# KiCad board vme-wren.kicad_pcb (continued)
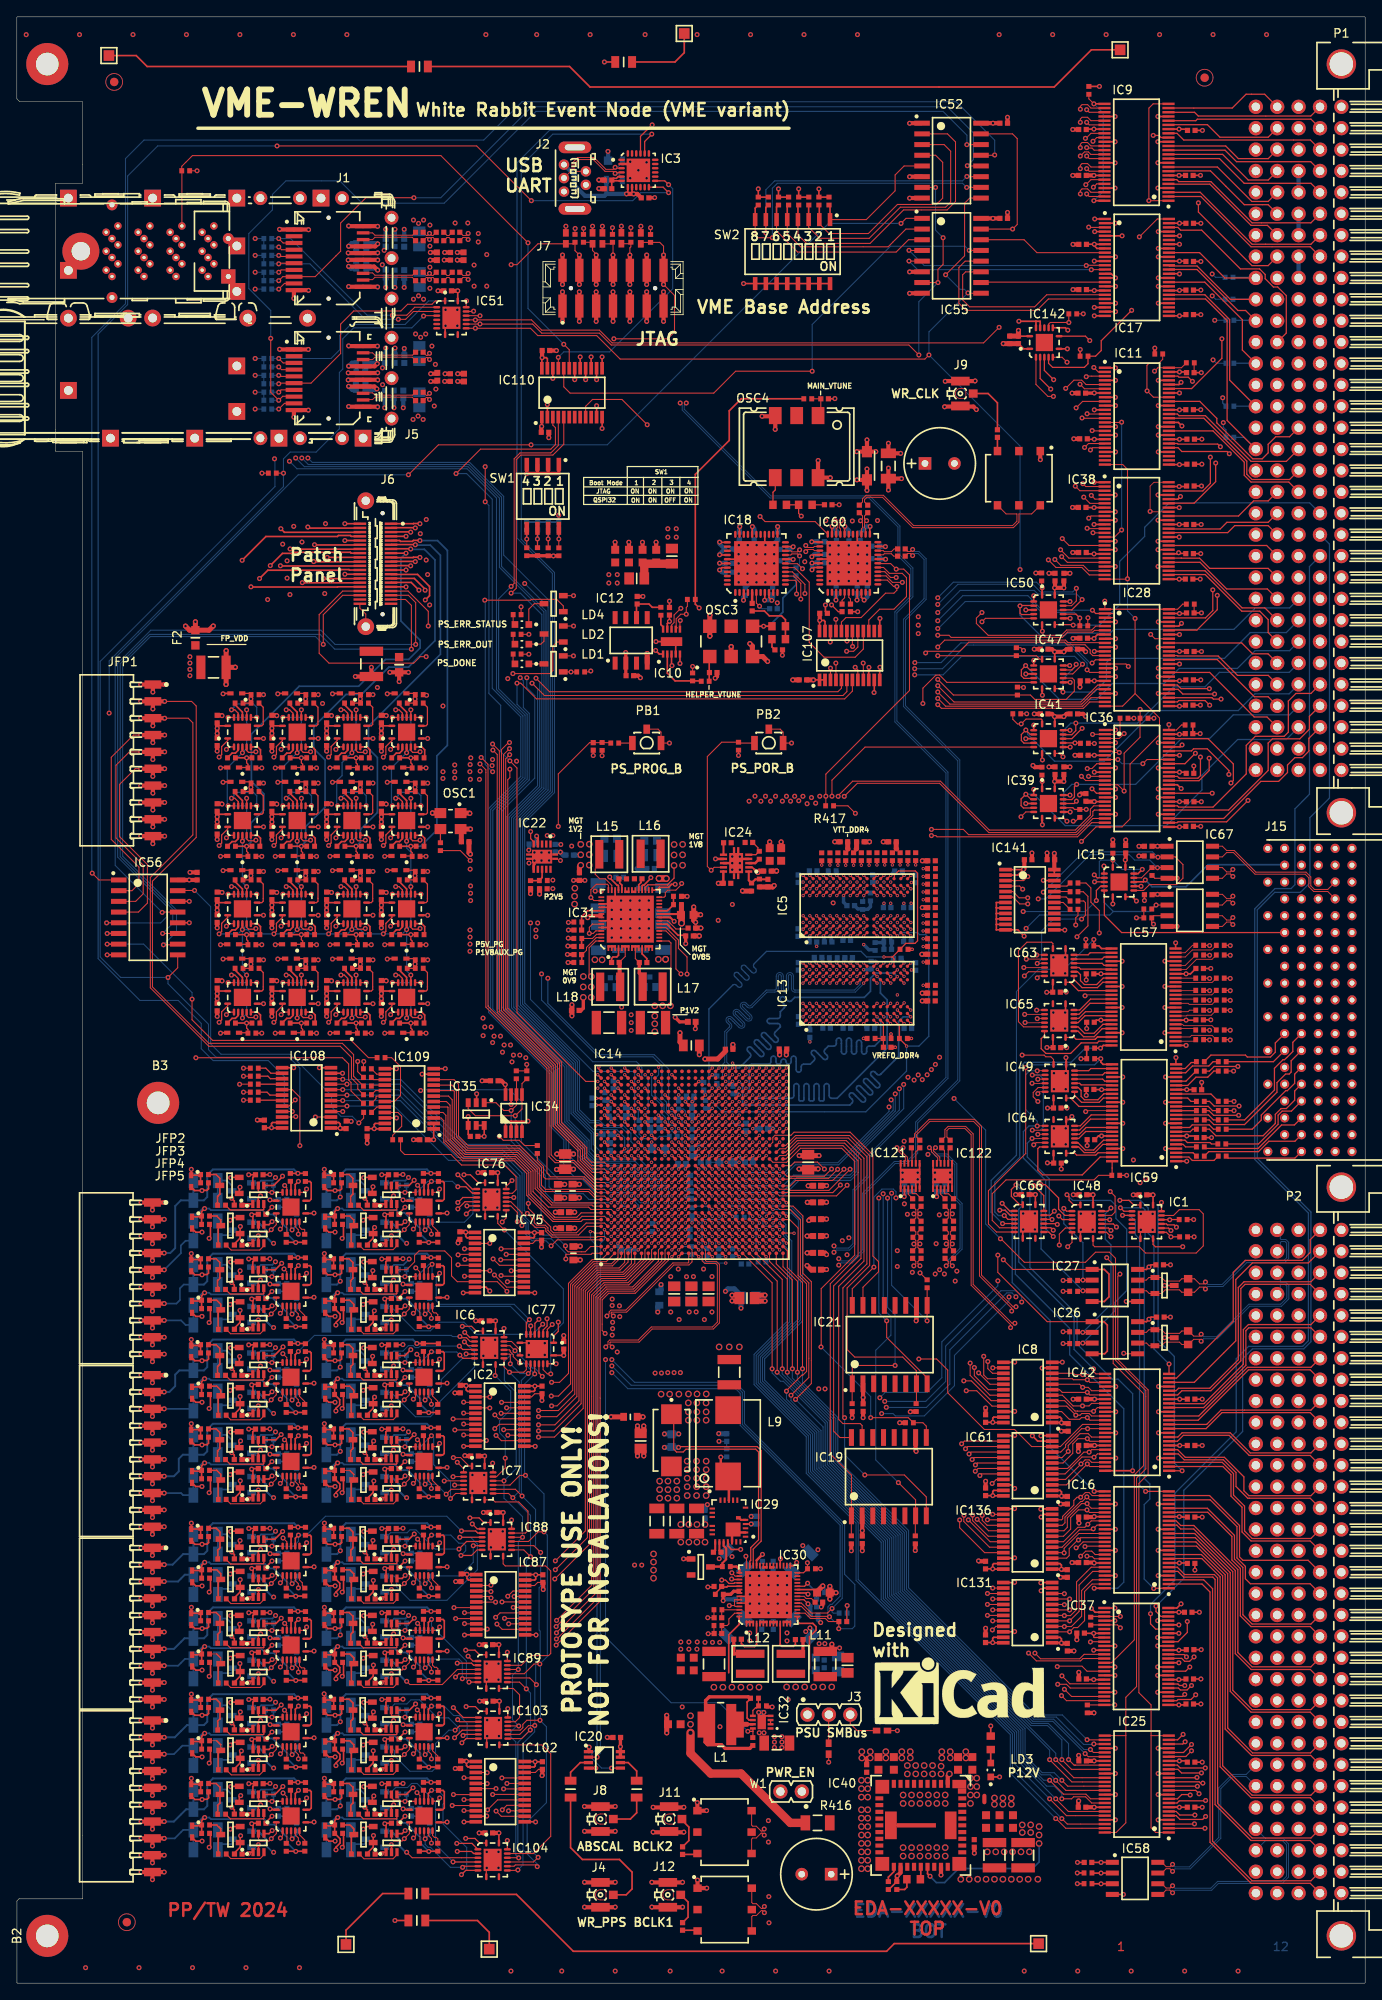
[diagram p0: board, top side]
## Routing (per net, layer and track width the routed paths; a pad name or vN(x,y) marks a point on that pad's centre or on a via; arc(x,y) is an arc through that point)
5VREG: length 57.4
  Top Layer w0.18: v2(95.43,49.2) R212.1
  Top Layer w0.2: IC30.29 92.23,49.57 v2(92.61,49.95) ; R213.1 66.1,125.94 v2(65.5,125.94) ; IC29.4 86.54,54.51 87.21,54.51 v2(87.21,54.52) ; v2(78.18,130.47) 77.76,130.47 77.39,130.1 76.33,130.1 76,129.78 IC31.29 ; IC32.6 86.96,31.24 86.72,31.48 86.72,33.37 87.1,33.75
  Top Layer w0.203: 69.41,126.74 IC31.49 ; 69.41,126.74 69.41,126.73 ; 69.41,126.74 IC31.48
  Top Layer w0.3: 61.88,135.24 61.87,135.24 61.87,135.98 61.73,136.12 v3(61.73,136.2)
  Top Layer w0.4: L1.2 81.8,31.25 81.8,33.12 ; L1.2 82.34,32.58 81.8,33.12 ; L1.2 81.73,30.1 81.73,28.63 82.05,28.31 83.68,28.31 84.12,27.87 87.06,27.87 R120.1 ; 81.8,33.12 81.8,33.55 82.24,33.99 86.86,33.99 87.1,33.75 ; 85.81,46.53 85.14,46.53 84.77,46.16 R205.1 ; v2(67.8,126.5) 68.03,126.73 69.41,126.73 ; 83.87,45.43 83.87,46.16
  Top Layer w1: R416.1 91.86,19.03 86,24.89 82.4,24.89 80,27.29 v4(80,29.72)
  Bottom Layer w0.5: C287.1 84.05,45.58 v2(83.89,45.41) ; C220.2 v3(61.73,136.2)
  Bottom Layer w0.6: v2(87.21,54.52) 87.22,54.53 C275.1
  vias: v2(79.02,32.8) v4(66.27,130.01) v4(66.24,129.06) v4(66.24,128.12) v4(75.61,50.96) v4(75.61,50) v4(75.61,49.04) v4(75.61,48.09) v4(80,31.75) v4(80,30.73)
/power-supply-1/P1V8AUX_PG: length 166
  Top Layer w0.1: v2(68.17,128.9) 68.17,128.78
  Top Layer w0.125: IC31.28 76.87,128.94 77.01,129.08 77.01,129.5 77.29,129.78 78.26,129.78 78.95,130.47 v2(78.95,130.56) ; v2(97.61,42.09) 97.62,42.09 R227.2 96.38,42.94 96.02,43.3 94.25,43.3 93.62,43.93 IC30.16 ; IC31.44 68.53,128.54 v2(68.17,128.9) 68.17,129.83 68.81,130.47 70.13,130.47 70.25,130.35 IC31.42 ; IC31.53 68.75,124.94 68.45,124.64 v2(67.99,124.64) 67.99,124.94 ; 67.99,124.94 67.99,124.94 ; 67.99,124.94 67.99,125.36 68.37,125.74 IC31.51
  L3 w0.125: v2(68.17,128.9) 66.26,126.99 63.31,126.99 62.59,126.26 62.59,123.98 61.13,122.52 v2(53.81,122.52)
  L5 w0.125: v2(78.95,130.56) 76.92,132.6 69.84,132.6 68.17,130.93 v2(68.17,128.9) 68.17,127.57 68.47,127.27 68.47,125.75 67.99,125.26 v2(67.99,124.64) ; v2(70.66,74.04) 69.97,74.73 69.12,74.73 68.66,75.19 68.66,80.05 63.94,84.77 63.94,88.66 63.05,89.55 63.05,97.51 55.59,104.97 55.59,106 52.46,109.13 52.46,121.17 v2(53.81,122.52)
  Bottom Layer w0.125: v2(70.66,74.04) 73.36,71.34 85.31,71.34 86.41,70.24 86.41,66.44 98.3,54.54 98.3,48.54 99.51,47.34 99.51,42.39 99.21,42.09 v2(97.61,42.09)
/power-supply-3/5VPG: length 138.5
  Top Layer w0.15: IC32.8 87.42,30.23 87.42,29.9 ; IC22.5 61.38,135.53 61.02,135.88 v3(61.02,136.73) ; 87.42,29.9 87.42,29.18 R120.2 ; 87.42,29.9 v3(86.81,29.9)
  L3 w0.125: v2(53.82,123.37) 61.62,123.37 62.34,124.08 62.34,126.95 59.8,129.5 59.8,135.5 v3(61.02,136.73)
  L5 w0.125: v2(69.91,74.04) 69.36,74.04 68.41,74.99 68.41,79.94 62.8,85.56 62.8,97.41 55.34,104.87 55.34,105.89 52.21,109.02 52.21,121.76 v2(53.82,123.37)
  Bottom Layer w0.125: v3(86.81,29.9) 83.41,33.3 77.7,33.3 69.91,41.09 v2(69.91,74.04)
GND: length 1442.8
  Top Layer w0.115: IC26.5 131.51,74.73
  Top Layer w0.12: IC30.44 85.31,48.33 v2(84.91,48.72)
  Top Layer w0.125: C71.2 139.81,192.37 R114.2 ; D2.2 65.2,208.6 v2(65.2,208.6) ; D5.2 69.54,208.6 v2(69.54,208.6) ; PB2.3 90.65,148.89 91,148.54 PB2.1 v2(92,147.24) ; D6.2 71.79,208.61 v2(71.8,208.62) ; D1.2 74.11,208.6 v2(74.11,208.6) ; v2(33.13,102.89) 33.08,102.84 IC108.22 ; C407.2 61.63,88.21 61.26,87.84 IC75.22 ; v2(104.57,29.98) 104.56,29.99 D8.2 ; v2(66.1,157.59) 66.1,157.59 T2.2 ; v2(66.11,164.74) 66.11,164.74 T4.2 ; C236.1 139.81,163.72 R98.2 ; C302.1 v2(68.45,145.76) ; v2(77.5,147.24) PB1.1 76.5,148.54 76.15,148.89 PB1.3 ; 53.2,62.59 v2(53.2,62.64) ; C457.2 61.95,25.39 61.57,25.01 IC102.22 ; R209.1 82.79,43.41 C294.1 82.81,43.39 v2(82.05,43.39) ; IC2.22 61.14,69.61 61.51,69.98 C20.2 ; v2(99.58,138.9) 98.69,139.79 R417.1 ; 41.44,161.06 41.44,162.56 40.74,163.26 J6.40 ; R446.1 v2(21.4,215.19) ; C429.2 61.86,47.58 61.49,47.21 60.36,47.21 ; v2(82.1,41.49) 82.79,41.49 C293.1 82.79,41.53 R208.1 ; R124.1 R122.1 v2(132.96,126.49) ; v2(66.11,161.14) 66.11,161.14 T3.2 ; IC11.8 129.21,188.29 ; IC67.4 135.15,131.18 R266.2 ; D7.2 v2(96.41,26.24) ; D4.2 68.37,208.6 v2(68.37,208.61)
  Top Layer w0.15: R523.1 v2(35.79,142.49) ; v1(94.98,131.54) IC5.C9 ; IC1.8 133.44,89.65 IC1.17 ; IC13.M9 v1(102.96,121.14) ; v1(96.58,124.34) IC5.E1 ; v1(96.56,116.34) IC13.E3 ; v1(98.18,129.94) IC5.G8 ; v1(100.56,121.14) IC13.K9 ; v2(48.66,152.91) 48.59,152.99 R577.1 ; IC5.N9 v1(103.78,131.54) ; IC76.17 55.61,92.29 IC76.8 ; v1(95.76,119.54) IC13.D8 ; v1(94.18,125.14) IC5.B2 ; IC103.17 55.8,29.54 IC103.8 ; v1(100.58,124.34) IC5.K1 ; v1(94.16,114.74) IC13.B2 ; v1(97.36,113.94) IC13.F1 ; v1(96.56,121.14) IC13.E9 ; R517.1 v2(29.29,121.49) ; R121.1 124.26,82.14 v2(124.25,82.14) ; v1(95.78,129.94) IC5.D8 ; v2(78.58,63.61) 78.68,63.7 87.92,63.7 88.39,63.23 88.39,52.48 87.45,51.54 IC30.40 ; IC13.N1 v1(103.76,113.94) ; R68.1 124.26,75.94 v2(124.25,75.94) ; R541.1 v2(42.29,131.99) ; R565.1 v2(29.29,152.99) ; v1(98.96,113.94) IC13.H1 ; IC88.8 56.25,51.94 IC88.17 ; C162.1 v2(97.66,175.54) ; R511.1 v2(35.79,121.49) ; R547.1 v2(48.79,131.99) ; v1(93.38,129.94) IC5.A8 ; v1(96.58,129.94) IC5.E8 ; R529.1 v2(29.29,142.49) ; v1(97.38,124.34) IC5.F1 ; R553.1 v2(29.29,131.99) ; IC77.17 61,76.04 IC77.8 ; R424.1 v2(42.29,121.49) ; R583.1 v2(42.29,152.99) ; v1(93.38,125.14) IC5.A2 ; IC104.17 55.75,13.89 IC104.8 ; R571.1 v2(35.79,152.99) ; v1(96.58,131.54) IC5.E9 ; v1(98.98,131.54) IC5.H9 ; IC13.T1 v1(106.16,113.94) ; v1(96.56,113.94) IC13.E1 ; IC5.M9 v1(102.98,131.54) ; IC89.8 55.75,36.24 IC89.17 ; IC6.17 55.35,74.69 IC6.8 ; v1(98.96,121.14) IC13.H9 ; v1(93.36,119.54) IC13.A8 ; v1(95.76,114.74) IC13.D2 ; R267.1 v2(42.29,142.49) ; IC142.4 122.03,191.48 v2(123.13,190.38) ; v1(100.58,131.54) IC5.K9 ; R323.1 v2(48.79,121.49) ; v1(98.16,119.54) IC13.G8 ; C372.2 v2(127.05,113.34) ; IC5.N1 v1(103.78,124.34) ; IC5.T1 v1(106.18,124.34) ; IC13.N9 v1(103.76,121.14) ; IC7.8 54.05,58.64 IC7.17 ; v1(100.56,113.94) IC13.K1 ; v1(96.56,119.54) IC13.E8 ; R103.2 v2(139.81,88.61) ; v1(96.58,126.74) IC5.E3 ; R559.1 v2(35.79,131.99) ; v1(93.36,114.74) IC13.A2 ; v1(94.96,121.14) IC13.C9 ; v1(95.78,125.14) IC5.D2 ; v1(98.98,124.34) IC5.H1 ; R535.1 v2(48.79,142.49)
  Top Layer w0.18: v2(89.25,46.13) 89.05,45.93 IC30.50 ; 87.25,45.13 IC30.52
  Top Layer w0.2: IC123.21 136.35,121.34 v2(136.35,121.34) ; IC37.10 130.4,40.04 v2(130.4,40.04) ; 54.46,64.41 55.74,64.41 v2(55.76,64.44) ; 71.4,107.06 IC14.D26 ; v2(35.3,19.13) 35.26,19.09 IC112.7 ; v2(28.68,78.74) 28.69,78.73 IC54.2 ; v2(30.3,40.13) 29.59,39.41 C443.2 ; v2(130.46,53.89) 130.46,53.89 IC16.34 ; 70.6,105.46 IC14.C24 ; 121.02,197.32 121.03,197.31 IC142.13 ; 121.02,197.32 121.51,197.32 121.53,197.3 IC142.12 ; 121.02,197.32 119.01,197.32 v2(119,197.32) ; v2(44.74,73.28) 44.48,73.02 IC83.2 ; IC17.15 135.51,218.64 v2(135.51,218.64) ; C421.2 45.82,75.79 v2(45.85,75.81) ; IC14.AD3 88.18,87.87 ; 20.83,79.58 21.24,79.17 v2(21.99,79.17) 22.1,79.17 22.13,79.19 ; D84.2 24.54,121.64 v2(24.49,121.59) ; v2(42.29,94.56) 42.21,94.48 D43.1 ; D81.2 30.74,112.84 v2(30.69,112.79) ; v2(22.85,36.43) 23,36.58 23,37.97 R336.1 ; R528.1 v2(29.09,133.79) ; IC51.8 50.86,196.74 ; IC37.15 130.4,37.54 v2(130.4,37.54) ; C440.2 25.85,35.77 26.52,36.44 D28.1 26.52,37.92 v2(26.49,37.95) ; IC28.8 130.47,159.63 v2(130.48,159.62) ; v2(43.99,153.09) 44.04,153.14 D104.2 ; v2(28.69,36.74) 28.7,36.72 28.7,35.85 ; 73.8,103.86 IC14.G22 ; IC14.U11 82.58,94.27 ; v2(135.56,181.81) 135.56,181.81 IC11.28 ; 110.61,94.31 110.61,95.11 110.59,95.14 ; D87.2 24.24,133.84 v2(24.19,133.79) ; v2(118.5,65.04) 118.48,65.01 117.16,65.01 ; IC110.22 v2(63.65,190.54) ; 44.5,35.85 44.5,36.72 v2(44.49,36.74) ; v2(44.49,26.44) 44.5,26.42 IC119.2 ; 45.1,102.75 v2(45.08,102.73) IC109.22 ; v2(26.5,52.55) 26.42,52.47 D65.1 ; v2(44.48,78.74) 44.49,78.73 IC70.2 ; IC82.2 44.49,68.53 v2(44.48,68.54) ; 37.93,79.19 37.9,79.17 v2(37.79,79.17) 37.04,79.17 36.63,79.58 ; v2(135.55,27.89) 135.55,27.89 IC25.21 ; v2(125.1,146.76) 125.09,146.76 IC41.9 ; 125.09,154.45 v2(125.1,154.45) 125.09,154.45 ; 125.09,154.45 IC47.9 125.09,154.45 ; v2(130.48,158.62) 130.47,158.63 IC28.10 ; C445.2 25.85,45.77 26.52,46.44 D31.1 26.52,47.91 v2(26.52,47.91) ; v2(131.34,99.09) 131.34,99.09 IC59.45 ; R546.1 v2(48.59,123.29) ; IC14.AG22 90.58,103.86 ; IC50.7 121.76,160.55 v2(121.8,160.52) ; R321.1 38.57,52.3 38.4,52.13 37.82,52.13 v2(37.8,52.11) 36.93,52.11 D45.2 ; v2(140.56,151.75) C240.2 ; v2(51.09,61.23) 51.05,61.2 IC72.7 ; 136.79,171.2 135.53,171.2 v2(135.53,171.2) ; R192.1 v2(125.94,11.81) ; v2(45.85,86.01) 45.82,85.99 C399.2 ; v2(135.55,24.89) 135.55,24.89 IC25.15 ; 125.09,162.05 IC50.9 125.09,162.05 ; 125.09,162.05 v2(125.1,162.05) 125.09,162.05 ; 77.8,87.87 IC14.M3 ; IC56.8 v2(10.73,122.09) 10.7,122.07 ; IC141.10 116.35,126.36 116.33,126.34 ; IC17.21 135.51,221.64 v2(135.51,221.64) ; 104.96,97.31 104.96,96.44 105.26,96.14 ; C461.2 25.85,25.47 26.52,26.14 D35.1 26.52,27.43 v2(26.66,27.57) ; v2(119.82,155.45) 119.82,155.45 IC47.4 ; R132.1 22.99,89.98 22.99,88.59 v2(22.84,88.43) ; IC31.50 72.65,126.14 ; 72.65,126.14 71.85,125.34 IC31.52 ; 72.65,126.14 v2(72.85,126.34) 71.45,127.74 ; v2(42.25,74.43) 42.21,74.39 D57.1 ; 37.93,89.19 37.9,89.17 v2(37.79,89.17) 37.04,89.17 36.63,89.58 ; v2(130.48,156.12) 130.47,156.13 IC28.15 ; C76.1 97.13,188.12 v2(97.15,188.14) ; 72.2,108.66 IC14.E28 ; IC14.AC20 87.38,102.26 ; v2(135.55,48.39) 135.55,48.39 IC16.4 ; R522.1 v2(35.59,133.79) ; R167.1 38.79,79.98 38.79,78.59 v2(38.64,78.43) ; v2(30.3,50.13) 29.59,49.41 C448.2 ; v2(25.53,20.89) 25.83,20.59 C497.1 ; v2(118.5,58.74) 118.08,59.16 IC61.22 ; IC14.U17 82.58,99.86 ; IC14.Y3 84.98,87.87 ; v2(53.16,41.34) 53.19,41.36 IC87.12 ; IC16.10 135.55,51.39 v2(135.55,51.39) ; v2(136.35,118.34) 136.35,118.34 IC123.15 ; IC107.11 101.83,153.26 v2(101.8,153.24) ; 136.79,176.7 135.53,176.7 v2(135.53,176.7) ; IC14.V13 83.38,95.87 ; v2(135.56,158.63) 135.56,158.63 IC28.39 ; C405.2 45.38,61.21 v2(46.09,61.93) ; C219.1 v2(124.71,103.91) ; v2(38.65,16.13) 38.8,16.28 38.8,17.67 R423.1 ; C464.2 96.03,162.88 v2(96.03,163.64) ; IC14.AA1 85.78,86.27 ; IC28.4 130.47,161.63 v2(130.48,161.62) ; v2(61.56,63.74) 61.54,63.76 IC2.13 ; IC14.U13 82.58,95.87 ; v2(124.81,196.27) 124.53,196.55 IC142.9 ; IC53.7 35.25,81.4 v2(35.29,81.43) ; 36.63,69.38 37.04,68.97 v2(37.79,68.97) 37.9,68.97 37.93,68.99 ; 71.4,103.06 IC14.D21 ; 72.2,102.26 IC14.E20 ; IC36.1 130.47,148.79 v2(130.48,148.78) ; IC9.17 130.47,201.47 v2(130.48,201.46) ; D91.2 37.24,123.34 v2(37.19,123.29) ; v2(53.1,19.14) 53.13,19.16 IC102.12 ; v2(140.78,26.24) C144.1 ; D86.2 31.04,142.64 v2(30.99,142.59) ; R408.1 22.77,22 22.6,21.83 22.02,21.83 v2(22,21.81) 21.13,21.81 D63.2 ; IC74.2 44.48,63.02 v2(44.74,63.28) ; IC43.2 44.48,93.22 v2(44.74,93.48) ; D66.1 42.22,42.58 v2(42.26,42.62) ; IC14.U1 82.58,86.27 ; D54.1 26.41,74.36 v2(26.46,74.41) ; IC135.7 v2(35.79,126.79) ; IC36.28 135.56,138.79 v2(135.56,138.79) ; v2(22.84,78.43) 22.99,78.59 22.99,79.98 R147.1 ; 136.25,85.29 v2(137,85.29) ; IC36.34 135.56,141.79 v2(135.56,141.79) ; v2(140.69,158.11) C244.2 ; D82.2 31.04,121.64 v2(30.99,121.59) ; v2(25.52,62.99) 25.82,62.69 C425.1 ; IC56.14 v2(20.48,128.44) 20.5,128.47 ; v2(130.45,168.2) 130.44,168.2 IC38.21 ; 129.21,191.79 130.47,191.79 v2(130.47,191.78) ; v2(118.5,67.89) 118.48,67.86 IC8.22 ; 28.7,45.85 28.7,46.72 v2(28.69,46.74) ; v2(135.55,53.89) 135.55,53.89 IC16.15 ; v2(121.61,47.54) 121.64,47.56 IC131.12 ; v2(44.49,46.74) 44.5,46.72 44.5,45.85 ; IC59.28 131.34,107.59 v2(131.34,107.59) ; v2(124.59,109.89) 124.62,109.87 IC49.8 124.62,108.09 ; v2(118.5,41.74) 118.47,41.71 IC131.22 ; v2(141.88,100.39) C226.1 ; IC142.7 v2(124.76,194.05) ; v2(131.26,121.34) 131.26,121.34 IC123.28 ; IC123.45 131.26,112.84 v2(131.26,112.84) ; C403.1 41.62,62.69 v2(41.32,62.99) ; IC50.2 120.76,164.71 v2(120.77,164.72) ; D95.2 24.24,123.34 v2(24.19,123.29) ; 116.33,126.99 116.33,126.34 ; 116.33,126.99 116.33,127.69 ; 116.33,126.99 116.35,127.01 IC141.9 ; 116.33,126.34 116.33,125.69 ; 37.93,58.99 37.9,58.97 v2(37.79,58.97) 37.04,58.97 36.63,59.38 ; v2(140.54,166.71) C249.2 ; v2(130.4,36.54) 130.4,36.54 IC37.17 ; IC136.12 121.64,56.31 v2(121.61,56.29) ; v2(41.33,30.89) 41.63,30.59 C509.1 ; v2(28.95,31.18) 28.68,30.92 IC111.2 ; C432.2 41.65,45.77 42.32,46.44 D27.1 42.32,47.81 v2(42.33,47.82) ; 75.4,95.87 IC14.J13 ; IC34.3 59.34,102.29 59.3,102.33 ; v2(70.65,128.52) 71.05,128.93 IC31.40 ; R335.1 22.77,42.3 22.6,42.13 22.02,42.13 v2(22,42.11) 21.13,42.11 D48.2 ; IC9.24 127.96,197.97 v2(127.96,197.97) ; v2(38.64,58.23) 38.79,58.39 38.79,59.78 R185.1 ; IC28.28 135.56,153.13 v2(135.56,153.13) ; R377.1 22.77,32 22.6,31.83 22.02,31.83 v2(22,31.81) 21.13,31.81 D59.2 ; C548.2 119.57,194.05 IC142.1 ; IC2.12 53.09,63.76 v2(53.06,63.74) ; v2(140.78,69.34) C73.1 ; 106.76,94.31 106.76,95.11 106.74,95.14 ; IC59.21 v2(136.42,107.59) ; 73,107.06 IC14.F26 ; IC36.10 130.47,144.29 v2(130.48,144.28) ; D90.2 44.04,142.64 v2(43.99,142.59) ; IC32.9 88.46,31.24 88.96,31.74 IC32.4 ; IC8.13 118.48,73.71 v2(118.5,73.74) ; IC118.7 51.06,29.09 v2(51.1,29.13) ; 59.95,102.33 60.69,102.33 v2(60.7,102.34) ; 59.95,102.33 59.99,102.29 IC34.4 ; 59.95,102.33 59.3,102.33 ; v2(26.57,17.5) 26.52,17.45 D36.1 26.52,16.14 25.85,15.47 C495.2 ; IC10.11 v2(75.91,159.29) ; v2(43.69,133.79) 43.74,133.84 D89.2 ; v2(140.6,154.74) C238.2 ; IC137.7 v2(29.29,147.79) ; v2(25.53,41.19) 25.83,40.89 C441.1 ; IC14.AE11 88.98,94.27 ; v2(43.99,121.59) 44.04,121.64 D78.2 ; C413.1 25.82,72.69 v2(25.52,72.99) ; 37.94,37.19 37.91,37.17 v2(37.8,37.17) 37.05,37.17 36.64,37.58 ; C492.2 29.59,29.11 v2(30.3,29.83) ; C192.2 30.02,95.99 v2(30.05,96.01) ; v2(43.99,132.09) 44.04,132.14 D94.2 ; 58.7,102.33 58.25,102.33 58.04,102.11 IC34.1 ; 58.7,102.33 58.69,102.31 IC34.2 ; 58.7,102.33 59.3,102.33 ; D62.1 26.42,42.57 v2(26.47,42.62) ; C397.1 41.62,82.89 v2(41.32,83.19) ; 73.8,105.46 IC14.G24 ; v2(46.1,19.83) 45.39,19.11 C504.2 ; SW2.16 SW2.9 v2(86.3,201.79) ; 124.62,101.54 IC64.8 124.94,102.54 v2(125.29,102.89) ; v2(140.78,63.84) C72.1 ; v2(141.79,114.37) C370.1 ; 73.8,95.07 IC14.G12 ; IC56.12 v2(20.48,125.9) 20.5,125.93 ; IC42.34 130.5,67.84 v2(130.5,67.84) ; v2(130.46,19.39) 130.46,19.39 IC25.45 ; v2(140.67,191.22) 139.79,191.22 ; v2(135.56,207.97) 135.56,207.97 IC9.45 ; v2(131.75,80.94) 131.76,80.93 IC27.5 ; v2(46.1,29.83) 45.39,29.11 C511.2 ; IC14.AF19 89.78,101.46 ; 77.8,91.07 IC14.M7 ; 71.45,127.74 71.05,128.14 IC31.45 ; 71.45,127.74 IC31.46 ; v2(130.45,173.7) 130.44,173.7 IC38.10 ; v2(101.2,156.23) 101.17,156.2 101.17,154.73 ; v2(125.07,164.05) 125.07,164.05 IC50.13 ; IC11.17 130.47,183.81 v2(130.48,183.8) ; v2(121.65,46.59) 121.97,46.91 IC131.11 ; v2(138.26,45.04) 137.77,44.54 IC37.48 ; v2(41.32,93.19) 41.62,92.89 C164.1 ; v2(140.69,177.76) C241.2 ; R540.1 v2(42.09,123.29) ; 20.84,37.58 21.25,37.17 v2(22,37.17) 22.11,37.17 22.14,37.19 ; v2(139.78,144.52) C253.2 ; C416.2 41.64,67.57 42.31,68.25 D23.1 42.31,69.41 v2(42.48,69.58) ; v2(28.94,83.48) 28.68,83.22 IC68.2 ; IC98.2 28.68,51.22 v2(28.95,51.48) ; v2(128.01,209.46) 129.22,209.46 129.22,209.47 ; v2(135.59,70.84) 135.59,70.84 IC42.21 ; 36.64,27.28 37.05,26.87 v2(37.8,26.87) 37.91,26.87 37.94,26.89 ; v2(26.54,89.84) 26.51,89.81 D12.1 26.51,88.45 25.84,87.77 C177.2 ; R350.1 23,47.97 23,46.58 v2(22.85,46.43) ; IC17.10 135.51,216.14 v2(135.51,216.14) ; D105.2 37.24,144.34 v2(37.19,144.29) ; v2(24.19,112.79) 24.24,112.84 D83.2 ; v2(30.06,33.71) 30.03,33.68 C493.2 ; C371.1 v2(127,119.11) ; D92.2 37.54,132.14 v2(37.49,132.09) ; IC90.7 51.06,49.39 v2(51.1,49.43) ; C209.2 25.84,77.77 26.51,78.45 D15.1 26.51,79.87 v2(26.5,79.88) ; v2(30.3,19.83) 29.59,19.11 C499.2 ; R293.1 38.56,74.11 38.39,73.93 37.81,73.93 v2(37.79,73.91) 36.92,73.91 D37.2 ; v2(135.59,65.34) 135.59,65.34 IC42.10 ; v2(130.46,48.39) 130.46,48.39 IC16.45 ; v2(30.69,123.29) 30.74,123.34 D97.2 ; v2(24.19,144.29) 24.24,144.34 D99.2 ; 136.79,170.2 135.53,170.2 v2(135.53,170.2) ; R146.1 22.76,84.31 22.59,84.13 22.01,84.13 v2(21.99,84.11) 21.12,84.11 20.71,84.52 ; IC107.22 96.63,159.26 v2(96.6,159.24) ; 136.3,76.64 v2(136.31,76.63) D29.3 ; IC109.12 v2(50.88,108.58) 50.9,108.6 ; 78.6,102.26 IC14.N20 ; IC59.34 131.34,104.59 v2(131.34,104.59) ; 22.14,26.89 22.11,26.87 v2(22,26.87) 21.25,26.87 20.84,27.28 ; D51.2 21.13,52.11 v2(22,52.11) 22.02,52.13 22.6,52.13 22.77,52.3 R349.1 ; 69.8,87.07 IC14.B2 ; v2(131.26,115.84) 131.26,115.84 IC123.39 ; v2(140.73,180.35) C57.1 ; v2(53.01,81.96) 53.04,81.99 IC75.12 ; IC14.T3 81.78,87.87 ; v2(51.1,19.13) 51.06,19.09 IC115.7 ; D69.2 36.93,21.81 v2(37.8,21.81) 37.82,21.83 38.4,21.83 38.57,22 R422.1 ; IC14.AE6 88.98,90.27 ; v2(140.66,39.6) C308.1 ; v2(42.39,59.62) 42.31,59.54 D19.1 42.31,58.25 41.64,57.57 C402.2 ; 68.83,105.06 IC14.A24 ; R166.1 38.56,84.31 38.39,84.13 37.81,84.13 v2(37.79,84.11) 36.92,84.11 36.51,84.52 ; v2(140.6,186.82) C70.1 ; C286.2 82.74,47.03 v2(82.06,47.03) ; 116.33,125.69 116.33,125.07 116.33,125.06 118.88,125.06 v2(119.63,124.31) ; 116.33,125.69 116.35,125.71 IC141.11 ; v2(22.85,16.13) 23,16.28 23,17.67 R409.1 ; 73.8,87.07 IC14.G2 ; 71.4,91.87 IC14.D8 ; v2(41.33,51.19) 41.63,50.89 C435.1 ; IC10.4 78.25,159.07 78.12,159.2 ; 70.6,102.26 IC14.C20 ; IC25.39 130.46,22.39 v2(130.46,22.39) ; 20.71,94.52 21.12,94.11 v2(21.99,94.11) 22.01,94.13 22.59,94.13 22.76,94.31 R131.1 ; IC123.4 136.35,112.84 v2(136.35,112.84) ; v2(131.26,118.34) 131.26,118.34 IC123.34 ; 122.96,73.06 121.79,73.06 v2(121.76,73.04) ; D88.2 24.54,142.64 v2(24.49,142.59) ; v2(136.3,82.84) 136.31,82.83 D30.3 ; 107.21,94.31 107.21,95.54 107.11,95.64 ; IC36.4 130.47,147.29 v2(130.48,147.28) ; IC14.AE21 88.98,103.06 ; v2(61.51,81.96) 61.49,81.99 IC75.13 ; IC9.4 129.22,207.96 v2(128,207.96) ; IC41.7 121.76,145.27 v2(121.8,145.23) ; v2(26.53,59.65) 26.51,59.63 D24.1 26.51,58.25 25.84,57.57 C422.2 ; R397.1 v2(69.78,228.11) ; v2(30.06,54.01) 30.03,53.98 C449.2 ; v2(119.51,89.49) 119.46,89.44 IC66.8 ; v2(28.94,93.48) 28.68,93.22 IC46.2 ; IC39.13 125.07,141.06 v2(125.07,141.06) ; v2(26.5,94.51) 26.41,94.42 D44.1 ; v2(98.8,168.59) 98.3,169.09 IC60.38 ; C454.2 45.39,39.41 v2(46.1,40.13) ; v2(140.78,55.34) C109.1 ; v2(45.85,96.01) 45.82,95.99 C172.2 ; v2(130.46,27.89) 130.46,27.89 IC25.28 ; IC38.8 130.44,174.7 v2(130.45,174.7) ; 109.11,96.14 108.81,96.44 108.81,97.31 ; IC110.11 v2(68.85,187.29) ; v2(130.48,187.3) 130.47,187.31 IC11.10 ; D41.2 21.12,63.91 v2(21.99,63.91) 22.01,63.93 22.59,63.93 22.76,64.11 R307.1 ; v2(45.85,65.81) 45.82,65.79 C404.2 ; 45.1,108.6 v2(45.08,108.58) IC109.13 ; 73,92.67 IC14.F9 ; 79.4,87.87 IC14.P3 ; v2(61.6,19.14) 61.58,19.16 IC102.13 ; 77.8,87.07 IC14.M2 ; IC71.2 44.48,83.22 v2(44.74,83.48) ; v2(135.56,161.63) 135.56,161.63 IC28.45 ; IC9.22 127.96,198.97 v2(127.96,198.97) ; IC17.4 135.51,213.14 v2(135.51,213.14) ; IC14.W7 84.18,91.07 ; C507.2 41.65,25.47 42.32,26.14 D40.1 42.32,27.59 v2(42.32,27.59) ; 74.6,93.47 IC14.H10 ; v2(38.64,68.23) 38.79,68.39 38.79,69.78 R294.1 ; C410.2 25.84,67.57 26.51,68.25 D20.1 26.51,69.66 v2(26.51,69.66) ; v2(131.34,102.09) 131.34,102.09 IC59.39 ; v2(135.56,205.97) 135.56,205.97 IC9.41 ; 20.84,17.28 21.25,16.87 v2(22,16.87) 22.11,16.87 22.14,16.89 ; IC136.11 121.97,55.66 v2(121.65,55.34) ; D101.2 30.74,144.34 v2(30.69,144.29) ; 75.4,91.87 IC14.J8 ; IC110.16 v2(67.55,190.39) ; D73.2 36.93,31.81 v2(37.8,31.81) 37.82,31.83 38.4,31.83 38.57,32 R436.1 ; IC14.U21 82.58,103.06 ; v2(135.49,36.54) 135.49,36.54 IC37.32 ; IC9.39 135.56,204.97 v2(135.56,204.97) ; D98.2 31.04,132.14 v2(30.99,132.09) ; v2(43.69,112.79) 43.74,112.84 D77.2 ; v2(120.77,149.36) 120.76,149.36 IC41.2 ; IC14.T19 81.78,101.46 ; IC92.2 44.48,51.22 v2(44.75,51.48) ; IC14.T5 81.78,89.47 ; IC18.38 87.33,169.07 v2(87.83,168.57) ; C453.1 41.63,40.89 v2(41.33,41.19) ; 32.9,108.71 v2(32.88,108.69) IC108.13 ; v2(54.6,105.59) 54.6,104.91 54.55,104.86 IC35.2 ; v2(130.5,62.34) 130.5,62.34 IC42.45 ; IC38.1 127.93,178.2 v2(127.93,178.2) ; D96.2 24.54,132.14 v2(24.49,132.09) ; v2(135.56,202.47) 135.56,202.47 IC9.34 ; v2(28.95,21.18) 28.68,20.92 IC114.2 ; v2(120.6,64.99) 121.23,64.36 IC61.11 ; IC14.AA6 85.78,90.27 ; C216.1 v2(137,79.08) ; 36.51,94.52 36.92,94.11 v2(37.79,94.11) 37.81,94.13 38.39,94.13 38.56,94.31 R35.1 ; v2(130.43,218.63) 130.43,218.64 IC17.34 ; v2(130.5,65.34) 130.5,65.34 IC42.39 ; IC102.11 55.78,19.81 v2(55.8,19.84) ; IC28.32 135.56,155.13 v2(135.56,155.13) ; IC9.32 135.56,201.47 v2(135.56,201.47) ; IC14.W1 84.18,86.27 ; R576.1 v2(48.59,144.29) ; R322.1 38.8,47.97 38.8,46.58 v2(38.65,46.43) ; v2(136.35,115.84) 136.35,115.84 IC123.10 ; 110.96,95.64 111.06,95.54 111.06,94.31 ; IC47.2 120.76,157.04 v2(120.77,157.05) ; IC11.45 135.56,190.31 v2(135.56,190.31) ; IC28.21 130.47,153.13 v2(130.48,153.12) ; v2(45.86,23.71) 45.83,23.68 C505.2 ; 116.33,127.69 116.35,127.66 IC141.8 ; 116.33,127.69 116.33,128.31 IC141.7 ; IC44.7 35.25,91.4 v2(35.29,91.43) ; IC16.39 130.46,51.39 v2(130.46,51.39) ; IC14.U2 82.58,87.07 ; C451.2 41.65,35.77 42.32,36.44 D32.1 42.32,37.75 v2(42.34,37.77) ; D85.2 30.74,133.84 v2(30.69,133.79) ; IC73.2 44.49,58.53 v2(44.48,58.54) ; IC42.28 130.5,70.84 v2(130.5,70.84) ; v2(140.61,204.42) C54.1 ; v2(102.5,156.24) 102.48,156.21 IC107.12 ; 77,92.67 IC14.L9 ; v2(125.1,139.06) 125.09,139.06 IC39.9 ; C190.1 25.82,92.89 v2(25.52,93.19) ; C503.1 41.63,20.59 v2(41.33,20.89) ; IC86.2 28.68,63.02 v2(28.94,63.28) ; v2(135.53,173.7) 135.53,173.7 136.79,173.7 ; v2(118.5,47.59) 118.47,47.56 IC131.13 ; 20.83,89.58 21.24,89.17 v2(21.99,89.17) 22.1,89.17 22.13,89.19 ; C389.1 v2(124.04,96.66) ; v2(42.27,84.6) 42.21,84.54 D50.1 ; IC69.7 51.05,81.4 v2(51.09,81.43) ; IC14.T9 81.78,92.67 ; v2(135.59,62.34) 135.59,62.34 IC42.4 ; C498.2 30.03,23.68 v2(30.06,23.71) ; 108.81,94.31 108.81,95.16 109.24,95.59 ; 107.01,95.84 107.21,96.04 107.21,97.31 ; IC95.2 28.68,41.22 v2(28.95,41.48) ; IC14.V20 83.38,102.26 ; IC11.39 135.56,187.31 v2(135.56,187.31) ; R90.2 139.66,149.37 C252.2 v2(140.54,148.36) ; IC37.21 130.4,34.54 v2(130.4,34.54) ; v2(37.19,133.79) 37.24,133.84 D75.2 ; v2(140.6,137.35) C269.2 ; 78.6,95.07 IC14.N12 ; v2(30.05,86.01) 30.02,85.99 C393.2 ; v2(30.29,61.93) 29.58,61.21 C427.2 ; LD3.1 v2(116.71,24.49) ; v2(30.06,44.01) 30.03,43.98 C442.2 ; v2(130.46,24.89) 130.46,24.89 IC25.34 ; v2(135.49,34.54) 135.49,34.54 IC37.28 ; IC14.R15 80.98,98.26 ; IC9.15 130.47,202.47 v2(130.48,202.46) 129.97,202.97 IC9.14 ; D55.2 36.93,42.11 v2(37.8,42.11) 37.82,42.13 38.4,42.13 38.57,42.3 R363.1 ; R558.1 v2(35.59,123.29) ; IC133.7 v2(48.79,126.79) ; 78.6,106.26 IC14.N25 ; IC14.R21 80.98,103.06 ; v2(22.85,26.13) 23,26.28 23,27.67 R378.1 ; 48.1,107.9 v2(48.13,107.93) IC109.11 ; R280.1 22.99,69.78 22.99,68.39 v2(22.84,68.23) ; v2(120.77,141.73) 120.76,141.72 IC39.2 ; 76.2,107.06 IC14.K26 ; C228.2 v2(127.11,99.44) ; C398.2 45.38,81.41 v2(46.09,82.13) ; IC110.12 v2(69.5,184.59) ; IC39.4 119.82,140.06 v2(119.82,140.06) ; C390.1 v2(124.68,111.07) ; IC14.U22 82.58,103.86 ; 104.96,94.31 104.96,95.16 105.39,95.59 ; v2(99.86,162.84) 99.86,162.84 C65.1 ; IC110.14 v2(68.85,190.39) ; v2(135.53,168.2) 135.53,168.2 136.79,168.2 ; v2(130.45,171.2) 130.44,171.2 IC38.15 ; IC9.23 130.47,198.47 v2(130.48,198.46) ; 76.2,103.06 IC14.K21 ; IC124.7 v2(42.29,116.29) ; IC110.17 v2(66.9,193.09) ; IC14.Y11 84.98,94.27 ; v2(30.05,75.81) 30.02,75.79 C414.2 ; 72.2,105.46 IC14.E24 ; v2(135.56,140.79) 135.56,140.79 IC36.32 ; C463.1 25.83,30.59 v2(25.53,30.89) ; R184.1 38.56,64.11 38.39,63.93 37.81,63.93 v2(37.79,63.91) 36.92,63.91 D25.2 ; 70.6,108.66 IC14.C28 ; IC116.2 44.5,16.42 v2(44.49,16.44) ; v2(130.46,56.89) 130.46,56.89 IC16.28 ; IC125.7 v2(35.79,116.29) ; IC138.7 v2(35.79,147.79) ; 36.64,47.58 37.05,47.17 v2(37.8,47.17) 37.91,47.17 37.94,47.19 ; IC14.T14 81.78,96.67 ; v2(140.73,183.32) C56.1 ; C229.2 v2(127.01,105.41) ; v2(130.48,155.12) 130.47,155.13 IC28.17 ; v2(127.61,44.49) 128.06,44.04 IC37.2 ; IC14.AA3 85.78,87.87 ; v2(125.04,156.45) 125.04,156.45 IC47.13 ; IC9.21 130.47,199.47 v2(130.48,199.46) ; IC110.13 v2(69.5,193.09) ; v2(44.75,31.18) 44.48,30.92 IC120.2 ; 20.83,59.38 21.24,58.97 v2(21.99,58.97) 22.1,58.97 22.13,58.99 ; v2(28.94,73.28) 28.68,73.02 IC80.2 ; C191.2 29.58,91.41 v2(30.29,92.13) ; R516.1 v2(29.09,112.79) ; IC84.7 35.25,61.2 v2(35.29,61.23) ; D61.1 42.22,52.5 v2(42.29,52.57) ; IC14.Y16 84.98,99.06 ; IC38.17 130.44,170.2 v2(130.45,170.2) ; IC14.AB12 86.58,95.07 ; v2(26.51,84.58) 26.41,84.48 D47.1 ; v2(124.16,73.74) 124.14,73.71 IC8.12 ; IC14.Y7 84.98,91.07 ; 78.6,99.86 IC14.N17 ; v2(135.49,37.54) 135.49,37.54 IC37.34 ; v2(140.78,20.89) C143.1 ; IC96.7 35.26,49.39 v2(35.3,49.43) ; v2(35.3,39.43) 35.26,39.39 IC93.7 ; IC62.7 v2(48.79,116.29) ; IC36.39 135.56,144.29 v2(135.56,144.29) ; IC14.V3 83.38,87.87 ; 110.86,95.84 111.06,96.04 111.06,97.31 ; v2(130.48,190.3) 130.47,190.31 IC11.4 ; IC14.AA5 85.78,89.47 ; v2(141.79,120.47) C373.2 ; C455.2 45.83,43.98 v2(45.86,44.01) ; v2(42.37,64.37) 42.21,64.21 D53.1 ; v2(130.48,141.78) 130.47,141.79 IC36.15 ; v2(131.26,207.46) 130.47,207.47 IC9.5 ; IC37.4 130.4,43.04 v2(130.4,43.04) ; C426.2 30.02,65.79 v2(30.05,65.81) ; v2(140.67,140.27) 139.8,140.27 ; v2(130.48,140.78) 130.47,140.79 IC36.17 ; C351.1 53.6,100.79 IC35.4 v2(53.6,102.89) ; IC113.2 28.7,16.42 v2(28.69,16.44) ; R570.1 v2(35.59,144.29) ; D80.2 37.54,121.64 v2(37.49,121.59) ; IC59.15 v2(136.42,104.59) ; C170.2 45.38,91.41 v2(46.09,92.13) ; 69,108.66 IC14.A28 ; v2(99.89,169.65) 99.8,169.74 IC60.26 ; v2(55.86,42.04) 55.84,42.01 IC87.11 ; v2(42.39,22.23) 42.22,22.06 D71.1 ; v2(121.8,152.92) 121.76,152.95 IC47.7 ; IC117.2 44.48,20.92 v2(44.75,21.18) ; D68.1 26.42,22.11 v2(26.58,22.27) ; IC129.7 v2(29.29,137.29) ; v2(26.56,64.37) 26.41,64.22 D58.1 ; IC39.7 121.76,137.57 v2(121.8,137.53) ; C502.2 41.65,15.47 42.32,16.14 D39.1 42.32,17.5 v2(42.35,17.53) ; v2(140.57,214.64) C125.1 ; v2(130.48,138.78) 130.47,138.79 IC36.21 ; 38.7,108.06 v2(38.68,108.04) IC108.11 ; v2(44.75,41.48) 44.48,41.22 IC101.2 ; 78.6,89.47 IC14.N5 ; IC105.7 35.26,29.09 v2(35.3,29.13) ; 37.94,16.89 37.91,16.87 v2(37.8,16.87) 37.05,16.87 36.64,17.28 ; C260.1 v2(77.5,164.09) ; IC9.28 135.56,199.47 v2(135.56,199.47) ; 20.83,69.38 21.24,68.97 v2(21.99,68.97) 22.1,68.97 22.13,68.99 ; IC140.7 v2(42.29,147.79) ; IC18.26 88.83,170.83 v2(88.91,170.74) ; IC14.W18 84.18,100.66 ; IC99.7 51.06,39.39 v2(51.1,39.43) ; IC14.AA24 85.78,105.46 ; v2(135.55,19.39) 135.55,19.39 IC25.4 ; v2(51.09,71.23) 51.05,71.2 IC81.7 ; 73,106.26 IC14.F25 ; v2(135.56,156.13) 135.56,156.13 IC28.34 ; v2(140.61,208.95) C55.2 ; 129.21,188.29 130.46,188.29 ; C280.2 29.58,81.41 v2(30.29,82.13) ; C223.1 v2(125.96,14.34) ; v2(41.32,72.99) 41.62,72.69 C419.1 ; D72.1 42.22,32.09 v2(42.34,32.21) ; R308.1 22.99,59.78 22.99,58.39 v2(22.84,58.23) ; 75.4,100.66 IC14.J18 ; v2(45.86,54.01) 45.83,53.98 C436.2 ; v2(126.36,89.46) 126.31,89.41 IC48.8 ; IC14.R2 80.98,87.07 ; v2(130.43,216.13) 130.43,216.14 IC17.39 ; R510.1 v2(35.59,112.79) ; IC38.4 130.44,176.7 v2(130.45,176.7) ; IC128.7 v2(35.79,137.29) ; IC15.7 130.15,128.14 v2(130.16,128.14) ; IC14.AH5 90.6,90.26 ; D33.2 21.12,73.91 v2(21.99,73.91) 22.01,73.93 22.59,73.93 22.76,74.11 R279.1 ; C420.2 45.38,71.21 v2(46.09,71.93) ; R36.1 38.79,89.98 38.79,88.59 v2(38.64,88.43) ; v2(42.45,79.83) 42.31,79.69 D16.1 42.31,78.45 41.64,77.77 C394.2 ; 73.8,91.07 IC14.G7 ; v2(140.68,162.69) 139.81,162.69 ; IC25.10 135.55,22.39 v2(135.55,22.39) ; IC108.12 v2(35.93,108.69) 35.9,108.66 ; 78.6,96.67 IC14.N14 ; v2(130.43,221.63) 130.43,221.64 IC17.28 ; v2(130.48,204.96) 130.47,204.97 IC9.10 ; C437.2 45.39,49.41 v2(46.1,50.13) ; IC106.2 28.7,26.42 v2(28.69,26.44) ; C163.2 41.64,87.77 42.31,88.45 D11.1 42.31,89.56 v2(42.48,89.73) ; v2(28.68,88.74) 28.69,88.73 IC45.2 ; 77.8,107.86 IC14.M27 ; 118.47,56.31 v2(118.5,56.34) 118.47,56.31 ; 118.47,56.31 IC136.13 ; 124.62,107.84 IC49.17 ; v2(121.62,64.98) 121.65,65.01 122.96,65.01 ; v2(135.56,147.29) 135.56,147.29 IC36.45 ; IC37.1 130.4,44.54 v2(130.4,44.54) ; v2(140.61,201.02) C22.1 ; 20.84,47.58 21.25,47.17 v2(22,47.17) 22.11,47.17 22.14,47.19 ; IC10.3 77.75,156.49 v2(77.8,156.43) ; 70.6,93.47 IC14.C10 ; D93.2 43.74,123.34 v2(43.69,123.29) ; IC14.Y21 84.98,103.06 ; v2(37.49,153.09) 37.54,153.14 D106.2 ; 76.2,90.27 IC14.K6 ; IC132.7 v2(42.29,126.79) ; v2(37.49,142.59) 37.54,142.64 D76.2 ; v2(140.8,219.98) C124.1 ; R262.1 v2(42.09,133.79) ; IC14.AF14 89.78,96.67 ; 73,88.67 IC14.F4 ; IC127.7 v2(42.29,137.29) ; IC141.22 121.93,130.91 v2(121.9,130.94) ; 69.8,106.26 IC14.B25 ; v2(56.17,82.19) 55.72,82.64 IC75.11 ; IC14.AB27 86.58,107.86 ; v2(130.44,208.97) 129.23,208.97 129.23,208.96 ; IC139.7 v2(48.79,147.79) ; v2(130.48,181.8) 130.47,181.81 IC11.21 ; IC78.7 35.25,71.2 v2(35.29,71.23) ; 70.6,107.86 IC14.C27 ; IC14.AG2 90.58,87.07 ; 69.8,99.86 IC14.B17 ; v2(140.65,173.19) 139.78,173.19 ; C510.2 45.83,33.68 v2(45.86,33.71) ; IC59.10 v2(136.42,102.09) ; v2(25.53,51.19) 25.83,50.89 C447.1 ; v2(61.66,41.34) 61.64,41.36 IC87.13 ; 75.4,104.66 IC14.J23 ; IC14.V15 83.38,98.26 ; IC14.R5 80.98,89.47 ; R564.1 v2(29.09,144.29) ; IC11.32 135.56,183.81 v2(135.56,183.81) ; R534.1 v2(48.59,133.79) ; IC37.39 135.49,40.04 v2(135.49,40.04) ; 73,101.46 IC14.F19 ; IC14.AF4 89.78,88.67 ; 73,103.06 IC14.F21 ; 77.8,88.67 IC14.M4 ; C210.1 25.82,82.89 v2(25.52,83.19) ; v2(30.29,71.93) 29.58,71.21 C415.2 ; IC11.15 130.47,184.81 v2(130.48,184.8) ; 74.6,106.26 IC14.H25 ; v2(135.56,184.81) 135.56,184.81 IC11.34 ; IC14.Y18 84.98,100.66 ; 73.8,108.66 IC14.G28 ; v2(30.99,153.09) 31.04,153.14 D102.2 ; v2(118.5,50.49) 118.47,50.46 IC136.22 ; v2(139.9,49.04) C88.1 ; v2(119.82,147.76) 119.82,147.76 IC41.4 ; v2(38.65,36.43) 38.8,36.58 38.8,37.97 R364.1 ; IC14.AE1 v1(88.98,86.27) ; v2(135.55,56.89) 135.55,56.89 IC16.21 ; IC14.W2 84.18,87.07 ; v2(140.61,198.11) C51.2 ; IC56.6 v2(10.73,124.63) 10.7,124.61 ; IC17.45 130.43,213.14 v2(130.43,213.13) ; 72.2,107.86 IC14.E27 ; 77,105.46 IC14.L24 ; R401.1 v2(44.9,7.44) ; IC79.2 28.69,68.53 v2(28.68,68.54) ; 78.6,93.47 IC14.N10 ; IC85.2 28.69,58.53 v2(28.68,58.54) ; 76.2,99.06 IC14.K16 ; v2(37.19,112.79) 37.24,112.84 D79.2 ; R552.1 v2(29.09,123.29) ; 123.21,125.06 124.43,125.06 v2(124.45,125.04) ; IC107.13 102.48,162.01 v2(102.5,162.04) ; IC34.7 58.69,104.35 ; 72.98,99.06 IC14.E16 ; IC14.AC15 87.38,98.26 ; D100.2 24.54,153.14 v2(24.49,153.09) ; 131.51,74.73 v2(131.45,74.79) ; R437.1 38.8,27.67 38.8,26.28 v2(38.65,26.13) ; IC14.R1 80.98,86.27 ; R126.1 v2(125.94,13.09) ; IC63.8 124.55,121.84 ; IC14.U12 82.58,95.07 ; IC14.V21 83.38,103.06 ; IC14.AA2 85.78,87.07 ; IC14.AA9 85.78,92.67 ; IC14.AC25 87.38,106.26 ; IC14.U6 82.58,90.27 ; 79.4,91.87 IC14.P8 ; IC14.AA4 85.78,88.67 ; 73.8,107.86 IC14.G27 ; v2(119.82,163.05) 119.82,163.05 IC50.4 ; IC14.AE26 88.98,107.06 ; IC134.7 v2(29.29,126.79) ; R309.1 v2(48.59,112.79) ; v2(131.41,10.54) 131.41,10.53 IC58.4 ; v2(140.6,169.73) C243.1 ; 73.8,104.66 IC14.G23 ; 76.2,94.27 IC14.K11 ; R410.1 v2(42.09,112.79) ; IC14.AA19 85.78,101.46 ; v2(140.71,106.95) C227.1 ; v2(51.09,91.43) 51.05,91.4 IC23.7 ; 69.8,107.06 IC14.B26 ; 68.83,101.86 IC14.A20 ; v2(140.62,36.12) C305.1 ; IC130.7 v2(48.79,137.29) ; IC14.V7 83.38,91.07 ; 123.92,117.67 v2(124.63,117.67) ; 69,107.86 IC14.A27 ; 79.4,94.27 IC14.P11 ; 77.8,103.86 IC14.M22 ; IC65.8 124.55,115.29 ; v2(26.54,32.21) 26.42,32.09 D67.1 ; IC14.AG27 90.58,107.86 ; v2(43.69,144.29) 43.74,144.34 D103.2 ; v2(125.07,148.76) 125.07,148.76 IC41.13 ; 79.4,89.47 IC14.P5 ; IC110.18 v2(66.25,190.39) ; 71.4,95.87 IC14.D13 ; IC14.U27 82.58,107.86 ; IC14.T10 81.78,93.47 ; IC14.W6 84.18,90.27 ; IC33.2 44.49,88.73 v2(44.48,88.74) ; IC42.15 135.59,67.84 v2(135.59,67.84) ; IC37.45 135.49,43.04 v2(135.49,43.04) ; 74.6,98.26 IC14.H15 ; IC126.7 v2(29.29,116.29) ; IC14.AD18 88.18,100.66 ; IC14.W21 84.18,103.06 ; IC14.AF9 89.78,92.67 ; IC59.4 v2(136.42,99.09) ; v2(140.62,33.15) C306.2 ; IC110.2 v2(63,187.44) ; 70.6,89.47 IC14.C5 ; R582.1 v2(42.09,144.29) ; 77.8,89.47 IC14.M5 ; IC14.R26 80.98,107.06 ; 77.8,86.27 IC14.M1 ; IC14.W23 84.18,104.66 ; C222.1 v2(133.91,128.54) ; 69.8,103.06 IC14.B21 ; v2(140.44,44.04) C318.2